# Allegro board EVK2_BM92T70-DEVICE-EVK-101_BRD_REV05_2016-03-18.brd (continued)
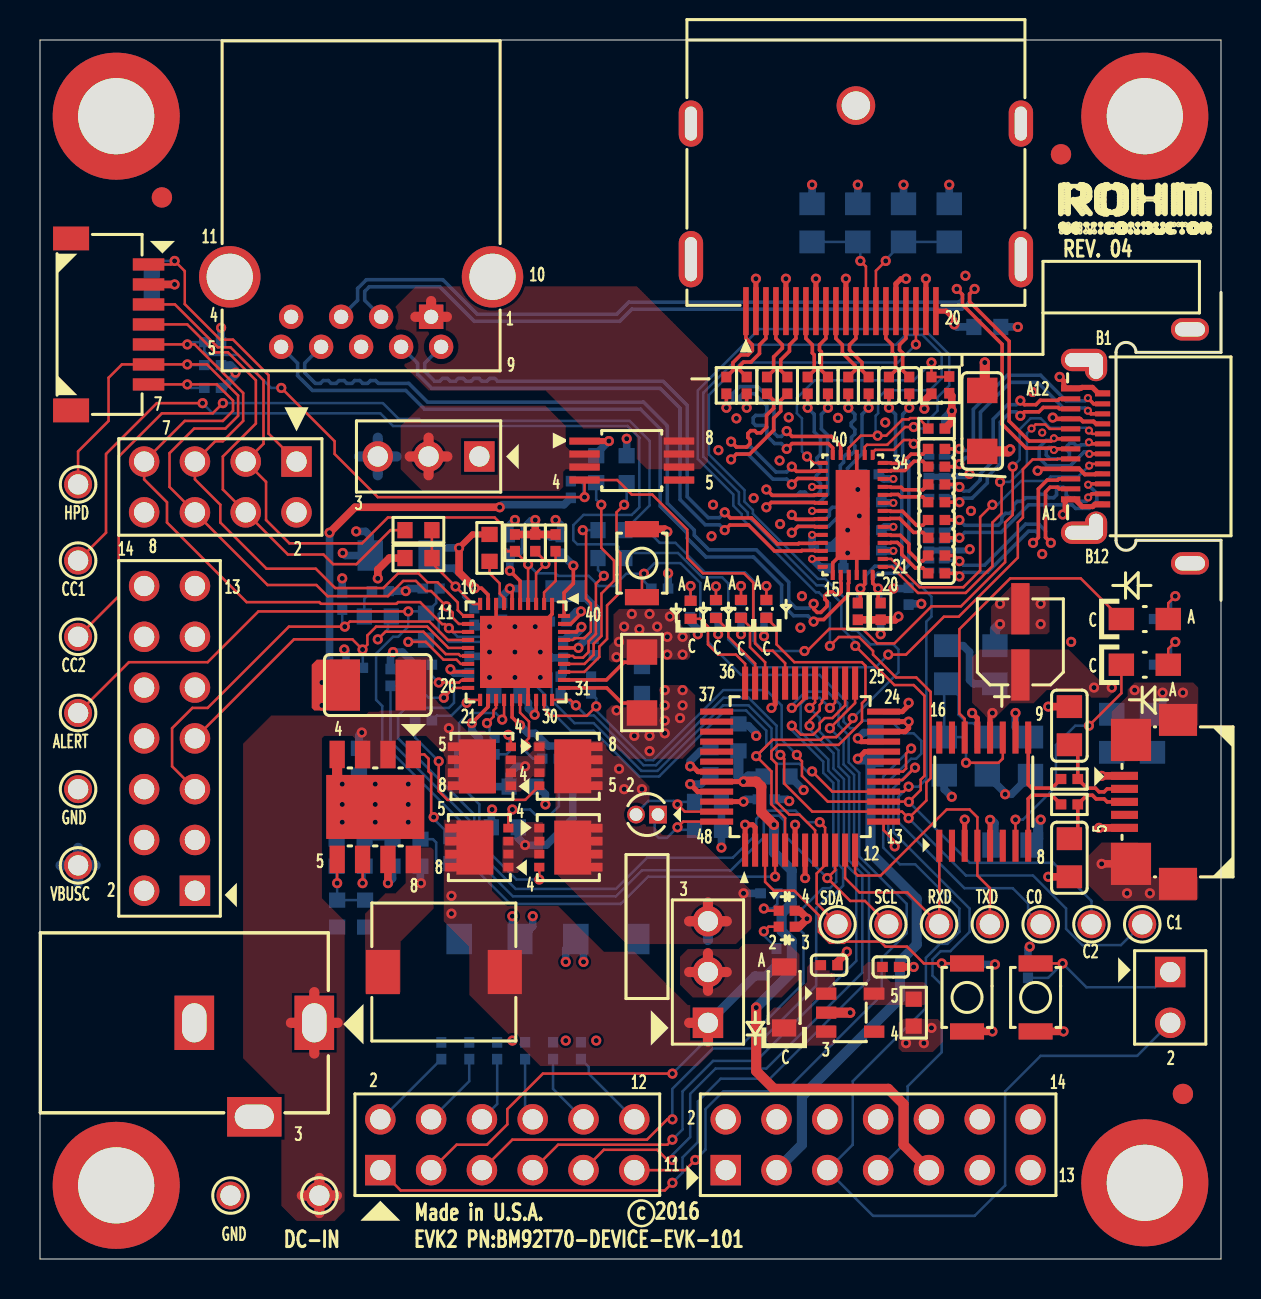
[diagram p0: board, top side]
## Nets
3V3: C42.2 C47.2 R46.2 R47.2 U5.3(VCCIO) U5.10(3V3OUT)
5V_VSVR: C9.2 C54.2 C58.1 D1.1(ANODE) J1.1 J12.3 L1.2 Q2.5(D1) Q2.6(D2) Q2.7(D3) Q2.8(D4) R12.2 R61.2 R156.1 U1.6(VSVR)
19V_ADAPTER: C7.2 C51.2 C52.2 J14.1 Q4.5(D1) Q4.6(D2) Q4.7(D3) Q4.8(D4) TP0.1 U1.28(VEX) U2.2(VIN) U2.3(EN)
GND: C1.1 C5.2 C6.1 C7.1 C8.1 C9.1 C11.1 C14.1 C15.1 C16.1 C17.1 C18.1 C19.1 C76.2 C77.2 C78.2 C79.2 C80.2 C81.2 C82.2 C83.2 C84.2 EEPROM-IF.2 J5.2 J5.4 J5.6 J5.8 J5.10 J5.12 J13.2 J14.2 J14.3 R11A.1 R13.1 R14.1 R15.1 R16.1 R17.1 R18.1 R19.1 R28.1 R30.1 R31.2 R36.2 R53.2 R65.2 R69.2 R103.1 R104.1 SW1.2 TP1.1 TP15.1 U1.1(GND0) U1.8(GND1) U1.27(GND2) U1.32(CSENSEP) U1.EPAD U3.1(GND) U23.A1(GND4) U23.A12(GND2) U23.B1(GND1) U23.B12(GND3) U24.15(GND1) U24.18(GND2) U24.37(GND3) U24.41(PGND) U25.3(GND1) U25.8(GND2) U26.3(GND1) U26.8(GND2) U27.2(GND0) U27.5(GND1) U27.8(GND2) U27.11(GND3) U27.16(GND4) U27.19(RETURN) U28.4(GND) U28.7(GND_DRAIN) U28.10(SHIELD1) U28.11(SHIELD2)
GND_SIGNAL: C2.1 C3.1 C30.1 C31.1 C32.1 C33.1 C34.2 C35.2 C36.1 C37.1 C38.1 C40.2 C41.1 C42.1 C43.1 C44.1 C45.1 C46.1 C47.1 C51.1 C52.1 C54.1 D14.3(K2) D14.4(K1) J3.2 J3.4 J3.6 J3.8 J3.10 J3.12 J11.5 J11.6 J11.7 J11.8 J11.9 R25.1 R31.1 R36.1 R45.1 R62.1 R63.1 SW2.2 SW3.2 U1.31(CSENSEN) U2.4(AGND) U2.7(PGND) U2.9(EPAD) U4.2(GND) U5.5(GND1) U5.13(GND2) U6.7(VSS_0) U6.21(VSS_1) U6.33(VSS_2) U6.45(VSS_3)
V3P3: C11.2 C30.2 C76.1 C77.1 C78.1 C79.1 C80.1 C81.1 C82.1 C83.1 J3.1 J5.1 J5.13 R6.2 R7.2 R8.2 R9.2 R10.2 R11B.2 R27.1 R29.1 R40.2 R41.2 R42.2 R43.2 R44.2 R50.1 R51.1 R52.1 R68.1 R70.2 R71.2 R72.2 R73.2 R74.2 R75.2 R76.1 U1.18(VDDIO) U6.1(CMPP) U6.2(CMPM) U6.6(P03/EXI3) U6.22(P10/OSC0) U6.23(P11/OSC1) U6.24(VDD_0) U6.43(VDD_1) U24.4(VDD1) U24.7(VDD2) U24.10(VDD3) U24.13(VDD4) U24.23(VDD5) U24.26(VDD6) U24.29(VDD7) U24.32(VDD8) U27.20(DP_PWR)
VCCIN: C15.2 R20.2 R21.2 R37.2 U1.5(VCCIN)
VDDL: C32.2 C33.2 J3.9 U6.44(VDDL)
VIN: D2.A(ANODE) J1.2
482_ALERT#: R9.1 R23.1 TP14.1 U6.4(P01/EXI1)
482_RXD: TP5.1 U5.1(TXD) U6.11(P42/RXD0)
482_SCL: R7.1 TP4.1 U1.20(SMCLK) U6.10(P41/SCL)
482_SDA: R6.1 TP3.1 U1.19(SMDATA) U6.9(P40/SDA)
482_TXD: TP6.1 U5.4(RXD) U6.12(P43/TXD0)
AUX+: C93.1 U27.15(AUX_CH_P)
AUX-: C94.1 U27.17(AUX_CH_N)
CC1: R102.2 TP11.1 U23.A5(CC1)
CC2: R101.2 TP12.1 U23.B5(CC2)
CONF0: EEPROM-IF.7 J13.7 R17.2 TP7.1 U1.13(GPIO7/UPSCLK/D2) U6.16(P47) U24.35(CONF0/A1)
CONF1: R14.2 R52.2 TP9.1 U1.30(GPIO3/FB) U6.14(P45) U24.36(CONF1/SCL)
CONF2: R13.2 R51.2 TP8.1 U1.29(GPIO2/VDIV) U6.15(P46) U24.38(CONF2/SDA)
CTRL0: J6.1 U6.25(PA0)
CTRL1: J6.3 U6.26(PA1)
CTRL2: J6.5 U6.27(PA2)
CTRL3: J6.7 U6.28(PA3)
CTRL4: J6.9 U6.29(PA4)
CTRL5: J6.11 U6.30(PA5)
D0+: R54.1 U27.1(ML_LANE0_P)
D0-: R55.1 U27.3(ML_LANE0_N)
D0N-: R55.2 U24.40(DP0-)
D0P+: R54.2 U24.39(DP0+)
D1+: R56.1 U27.4(ML_LANE1_P)
D1-: R57.1 U27.6(ML_LANE1_N)
D1N-: R57.2 U24.3(DP1-)
D1P+: R56.2 U24.2(DP1+)
D2+: R58.1 U27.7(ML_LANE2_P)
D2-: R59.1 U27.9(ML_LANE2_N)
D2N-: R59.2 U24.6(DP2-)
D2P+: R58.2 U24.5(DP2+)
D3+: R60.1 U27.10(ML_LANE3_P)
D3-: R67.1 U27.12(ML_LANE3_N)
D3N-: R67.2 U24.9(DP3-)
D3P+: R60.2 U24.8(DP3+)
D+: U23.A6(D2+) U23.B6(D1+) U28.3(D+)
D-: U23.A7(D1-) U23.B7(D2-) U28.2(D-)
DEBUG_VBUS_5V: C40.1 C41.2 FB1.1 R66.2 U5.12(VCC)
HPDIN: EEPROM-IF.6 J13.6 R16.2 TP13.1 U1.12(GPIO6/UPSDO/D1) U6.5(P02/EXI2) U27.18(HPD_OUT)
HSS_INPUT: J12.2 U3.2(IN0) U3.3(IN1)
RX1+: C91.2 U23.A2(TX1+) U26.4(D2+)
RX1-: C92.2 U23.A3(TX1-) U26.5(D2-)
RX2+: C85.2 U23.B2(TX2+) U25.1(D1+)
RX2-: C86.2 U23.B3(TX2-) U25.2(D1-)
RX+: U24.16(RX+) U28.6(STDA_SSRX+)
RX-: U24.17(RX-) U28.5(STDA_SSRX-)
TX1+: C89.2 U23.B11(RX1+) U26.1(D1+)
TX1-: C90.2 U23.B10(RX1-) U26.2(D1-)
TX2+: C87.2 U23.A11(RX2+) U25.4(D2+)
TX2-: C88.2 U23.A10(RX2-) U25.5(D2-)
TX+: U24.11(TX+) U28.9(STDA_SSTX+)
TX-: U24.12(TX-) U28.8(STDA_SSTX-)
TYPEC_VBUS: C1.2 C5.1 C84.1 J1.3 J12.1 Q1.5(D1) Q1.6(D2) Q1.7(D3) Q1.8(D4) Q3.5(D1) Q3.6(D2) Q3.7(D3) Q3.8(D4) R1.2 R155.1 TP10.1 U1.9(VB) U23.A4(VBUS4) U23.A9(VBUS2) U23.B4(VBUS1) U23.B9(VBUS3)
USB3_VBUS: U3.6(OUT0) U3.7(OUT1) U3.8(OUT2) U28.1(VBUS)
USB-PD_XRST: C14.2 EEPROM-IF.3 J13.3 R21.1 SW1.1 U1.4(XRST) U6.13(P44)
USB_HSS: EEPROM-IF.5 J13.5 R15.2 R45.2 U1.11(GPIO5/UPSDIN/D0) U3.4(/EN) U6.32(PA7)
VPP: C31.2 J3.3 U6.20(VPP)
N13969648: R102.1 U1.35(CC1)
N13969652: R101.1 U1.37(CC2)
N13969713: C19.2 D1.2(CATHODE) U1.36(VCONN_IN)
N13970852: R103.2 U1.34(XCLPOFF2)
N13970857: R104.2 U1.33(XCLPOFF1)
N13977100: C6.2 Q1.1(S1) Q1.2(S2) Q1.3(S3) Q2.1(S1) Q2.2(S2) Q2.3(S3) U1.25(S1_DRV_SRC)
N13977548: Q1.4(G) R2.2
N13977559: R1.1 U1.7(DSCHG)
N13980532: Q4.4(G) R5.2
N13980539: Q3.4(G) R4.2
N13980813: C8.2 Q3.1(S1) Q3.2(S2) Q3.3(S3) Q4.1(S1) Q4.2(S2) Q4.3(S3) U1.22(S2_DRV_SRC)
N13982881: C16.2 U1.40(LDO15ACAP)
N13982885: C17.2 U1.39(LDO28CAP)
N13982889: C18.2 U1.38(LDO15DCAP)
N13984358: J5.5 R10.1 U1.14(DBGRSTCK)
N13984367: R11A.2 R11B.1 R26.2 U1.10(GPIO4/UPSCS)
N13984468: R22.2 U1.16(GPIO0/VOUT_EN)
N13984472: R23.2 U1.17(GPIO1/ALERT#)
N13984476: R8.1 R22.1
N13987789: J5.7 R18.2 U1.15(DBGMODDT)
N13987798: R19.2 R20.1 U1.3(IDSEL/ATST1)
N13993860: R37.1 U1.2(VSTR/ATST2)
N14001698: U24.14(A0)
N14001956: C93.2 R27.2 R28.2 U24.19(AUX+)
N14001966: C94.2 R29.2 R30.2 U24.20(AUX-)
N14002328: R50.2 R53.1 U24.1(MODE)
N14002696: C85.1 U24.34(RX2+)
N14002704: C86.1 U24.33(RX2-)
N14002742: C87.1 U24.31(TX2+)
N14002762: C88.1 U24.30(TX2-)
N14002778: C91.1 U24.25(RX1+)
N14002782: C90.1 U24.27(TX1-)
N14002790: C89.1 U24.28(TX1+)
N14002806: C92.1 U24.24(RX1-)
N14003274: U23.A8(SBU1) U24.21(SBU2)
N14003282: U23.B8(SBU2) U24.22(SBU1)
N14006162: C34.1 U6.47(XT0) X1.2
N14006166: C35.1 U6.48(XT1) X1.1
N14006320: C37.2 SW2.1 U6.3(P00/EXI0)
N14006340: D13.2(ANODE) R41.1
N14006408: D12.2(ANODE) R42.1
N14006432: D11.2(ANODE) R43.1
N14006508: D10.2(ANODE) R44.1
N14006520: D13.1(CATHODE) U6.34(P20/LED0)
N14006532: D11.1(CATHODE) U6.36(P22/LED2)
N14006544: D10.1(CATHODE) U6.8(P24/LED4)
N14006584: C36.2 U6.46(VDDX)
N14006592: D12.1(CATHODE) U6.35(P21/LED1)
N14006890: J3.5 J4.2 U6.18(RESET_N)
N14006894: J3.7 U6.17(TEST)
N14013017: EEPROM-IF.4 J13.4 R26.1
N14014782: C38.2 J4.1 SW3.1
N14025699: LED3.A(ANODE) R46.1
N14025733: LED4.A(ANODE) R47.1
N14025825: C44.2 J11.2 R48.1
N14025849: C45.2 J11.3 R49.1
N14025897: C46.2 R25.2 R66.1 U5.11(RST)
N14025905: LED4.C(CATHODE) U5.7(CBUS2)
N14025913: LED3.C(CATHODE) U5.14(CBUS1)
N14025917: C43.2 FB1.2 J11.1
N14026089: R48.2 U5.9(USBDM)
N14026093: R49.2 U5.8(USBDP)
N14033878: EEPROM-IF.1 J13.1 R12.1
N14048931: J6.2 R70.1
N14049113: J6.4 R71.1
N14049117: J6.6 R72.1
N14049121: J6.8 R73.1
N14049125: J6.10 R74.1
N14049129: J6.12 R75.1
N14095594: Q2.4(G) R3.2
N14205448: R65.1 R68.2 U27.14(CONFIG2)
N14205650: R69.1 R76.2 U27.13(CONFIG1)
N14213989: R64.1 U2.1(BOOT)
N14214029: C57.2 R64.2
N14214033: C57.1 L1.1 U2.8(SW)
N14214153: C58.2 R61.1 R62.2 U2.5(FB)
N14214231: C56.2 U2.6(COMP)
N14225303: C3.2 D2.C(CATHODE) U4.1(VIN) U4.3(STBY)
N14225329: C2.2 R40.1 U4.5(VOUT)
N14225491: D14.1(A1) R155.2
N14225495: D14.2(A2) R156.2
N139693328: R2.1 U1.24(S1_DRV_G1)
N142140490: C56.1 R63.2
N1396933210: R3.1 U1.26(S1_DRV_G2)
N1396933211: R4.1 U1.21(S2_DRV_G1)
N1396933213: R5.1 U1.23(S2_DRV_G2)

Pads without a net: J3 11 13 14; J5 3 9 11 14; J11 4; J13 8; NOREF#31 1; NOREF#43 1; NOREF#84 1; NOREF#99 1; NOREF#100 1; NOREF#101 1; U3 5; U4 4; U5 2 6 15 16; U6 19 31 37 38 39 40 41 42; U25 6 7 9 10; U26 6 7 9 10

## Via types
v1: diameter 0.508, hole 0.254, TOP to BOTTOM, 331 vias
v2: diameter 0.406, hole 0.203, TOP to BOTTOM, 20 vias

## Routing (per net, layer and track width the routed paths; a pad name or vN(x,y) marks a point on that pad's centre or on a via; arc(x,y) is an arc through that point)
3V3: length 5.7
  TOP w0.254: v1(46.24,21.97) U5.3 ; U5.10 v1(48.78,27.3)
  BOTTOM w0.381: v1(48.78,27.3) 48.77,27.29 48.77,26.61 49.28,26.1 C47.2
  BOTTOM w0.508: v1(50.04,21.97) 49.91,21.84 49.91,21.02 C42.2
  vias: v1(51.56,30.86)
5V_VSVR: length 12.9
  TOP w0.178: U1.6 23.61,33.42 v1(23.5,33.53)
  TOP w0.508: 33.4,10.87 J1.1 32.46,11.81
  BOTTOM w0.381: D1.1 24.25,33.53 v1(23.5,33.53) 23.11,33.15 C9.2
  BOTTOM w0.457: J1.1 35.75,14.16 36.31,14.16 36.83,14.68 R156.1
  BOTTOM w0.508: 16.89,39.19 J12.3 ; J12.3 17.83,40.13 ; J12.3 15.95,40.13 ; J12.3 16.89,41.07
  vias: v1(20.57,18.16) v1(20.57,17.27)
19V_ADAPTER: length 11.8
  TOP w0.178: v1(24.74,27.22) 24.81,27.29 U1.28
  TOP w0.508: 13.09,3.17 TP0.1 ; TP0.1 13.97,4.05 ; TP0.1 13.97,2.3 ; TP0.1 14.85,3.17 ; J14.1 13.72,13.35 ; J14.1 12.55,11.81 ; J14.1 14.88,11.81 ; J14.1 13.72,10.27
  BOTTOM w0.381: v1(24.74,27.22) 24.42,27.53 24.42,27.81 C7.2 ; C51.2 15.95,26.19 v1(16.09,26.33)
  vias: v1(20.45,26.54)
GND: length 138.3
  TOP w0.178: v1(22.48,31.62) 22.81,31.95 U1.8 ; U24.15 39.64,34.81 40.13,35.31 v1(40.39,35.31) 40.71,35.31 40.84,35.18 U24.18 ; v1(40.89,38.48) 40.84,38.53 U24.37 ; v1(25.02,29.08) 24.66,29.08 24.41,28.83 U1.27 ; U1.1 25.61,32.25 24.98,31.62 v1(24.77,31.62) ; R36.2 29.59,29.84 29.21,29.84 28.32,28.96 U1.32
  TOP w0.254: U27.8 v1(38.8,49.02) ; U27.2 v1(35.8,49.02) ; U23.B1 52.92,43.29 52.62,43.59 52.1,43.59 52.05,43.54 U23.A12 51.32,43.54 51.2,43.67 51.2,43.9 v1(50.99,44.11) ; U27.5 v1(37.3,49.02) ; U27.16 42.8,48.77 43.05,49.02 v1(43.31,49.02) ; U27.19 v1(44.3,49.02) ; v1(51.14,37.23) 51.26,37.35 51.26,37.87 51.38,37.99 U23.A1 51.75,37.99 52.11,37.63 52.64,37.63 52.75,37.74 U23.B12 ; U27.11 v1(40.3,49.02)
  TOP w0.305: U3.1 v1(28.45,40.9)
  TOP w0.381: v1(31.37,36.37) 31.24,36.5 SW1.2 ; v1(44.22,42.52) 44.22,42.91 R53.2 ; R28.1 R30.1 42.76,31.97 v1(42.93,32.13) ; EEPROM-IF.2 v1(6.73,48.74)
  TOP w0.508: C84.2 47.24,43.56 v1(47.24,44.83)
  L2_GND w0.508: J5.12 6.15,31.11 ; J5.12 5.21,30.18 ; J5.12 4.27,31.11 ; J5.12 5.21,32.05 ; 1.91,22.62 TP15.1 ; TP15.1 1.03,23.5 ; TP15.1 2.78,23.5 ; TP15.1 1.91,24.37 ; 5.21,22.56 5.21,23.5 ; 5.21,23.5 5.21,24.43 ; 5.21,23.5 6.15,23.5 ; 5.21,23.5 4.27,23.5 ; J5.10 5.21,29.51 ; J5.10 6.15,28.57 ; J5.10 5.21,27.64 ; J5.10 4.27,28.57 ; 4.27,26.04 J5.8 ; J5.8 5.21,26.97 ; J5.8 5.21,25.1 ; J5.8 6.15,26.04 ; 4.27,18.41 J5.2 ; J5.2 6.15,18.41 ; J5.2 5.21,19.35 ; J5.2 5.21,17.48 ; 9.49,47.4 U28.11 ; U28.11 9.49,50.83 ; U28.11 11.2,49.12 ; U28.11 7.77,49.12 ; U28.4 13.35,47.12 ; U28.4 12.56,47.9 ; U28.4 11.77,47.12 ; J5.4 6.15,20.95 ; J5.4 5.21,20.02 ; J5.4 4.27,20.95 ; J5.4 5.21,21.89 ; 11.89,37.34 J13.2 ; J13.2 13.77,37.34 ; J13.2 12.83,38.28 ; J13.2 12.83,36.4 ; TP1.1 9.53,4.05 ; TP1.1 8.65,3.17 ; TP1.1 9.53,2.3 ; TP1.1 10.4,3.17 ; U28.7 16.85,45.62 ; U28.7 16.06,44.83 ; U28.7 16.06,46.4 ; U28.7 15.27,45.62 ; J14.2 8.88,11.81 ; J14.2 6.55,11.81 ; J14.2 7.72,10.27 ; J14.2 7.72,13.35 ; 10.72,5.94 J14.3 ; J14.3 10.72,8.28 ; J14.3 12.25,7.11 ; J14.3 9.18,7.11 ; 22.63,47.4 U28.10 ; U28.10 24.34,49.12 ; U28.10 20.91,49.12 ; U28.10 22.63,50.83
  BOTTOM w0.305: v1(46.48,39.26) 46.37,39.15 45.67,39.15 45.64,39.12 U25.3 U25.8 ; U26.8 U26.3 46.43,35.43 v1(46.49,35.49)
  BOTTOM w0.381: v1(15.14,35.31) 15.27,35.18 C5.2 16.51,36.16 16.28,36.39 v1(15.81,36.39) ; R19.1 25.4,36.23 25.53,36.11 C16.1 26.04,36.7 v1(25.78,36.96) ; v1(22.48,30.35) 22.26,30.14 C11.1 ; v1(22.48,31.62) 21.81,31.62 R11A.1 ; C78.2 v1(40.39,36.45) 39.55,35.61 C80.2 ; C8.1 24.89,23.62 25.27,23.24 v1(25.27,22.73) ; C9.1 23.46,31.62 v1(23.75,31.62) ; C81.2 41.24,37.43 v1(40.97,37.16) ; C14.1 v1(31.41,34.29) ; v1(42.67,33.53) 43.4,33.53 C82.2 ; R69.2 v1(38.61,53.72) ; R103.1 27.81,40.27 v1(28.45,40.9) ; v1(23.75,36.96) 23.5,36.7 C15.1 ; v1(22.61,22.48) 22.57,22.44 C6.1 ; R17.1 9.14,43.56 9.78,44.2 v1(9.78,44.32) 9.78,44.45 9.53,44.7 R16.1 ; R15.1 v1(9.06,46.57) ; R18.1 15.3,30.39 v1(15.21,30.48) ; C79.2 41.11,38.7 v1(40.89,38.48) ; v1(22.48,29.08) 22.69,28.87 C7.1 ; C17.1 25.02,31.88 v1(24.77,31.62) ; R65.2 v1(43.18,53.72) ; C76.2 v1(48.9,46.61) ; R104.1 v1(29.34,41.02) ; v1(27.18,14.86) 27.18,15.62 C1.1 26.29,15.49 v1(26.29,14.86) ; v1(25.02,30.35) 25.3,30.35 25.59,30.06 C18.1 26.16,29.25 R14.1 ; C77.2 40.17,34.55 40.17,35.09 v1(40.39,35.31) 41.11,35.31 C83.2
  vias: v1(23.75,30.35) v1(23.75,29.08) v1(28.83,30.1) v1(28.96,30.86) v1(29.21,31.62) v1(29.59,32.26) v1(29.97,31.5) v1(30.48,32.26) v1(30.86,31.62) v1(31.37,31.11) v1(31.37,30.23) v1(31.5,32.13) v1(32.13,31.11) v1(32.13,30.23) v1(33.58,36.14) v1(33.66,37.72) v1(33.92,40.45) v1(34.82,42.04) v1(35.69,38.05) v1(36.98,39.93) v1(37.01,36.75) v1(37.44,42.09) v1(38.02,31.57) v1(38.1,33.15) v1(39.9,42.06) v1(42.27,41.83) v1(46.28,49.17) v1(46.55,37.41) v1(49.63,43.36) v1(50.11,35.26) v2(50.11,41.33)
GND_SIGNAL: length 92.9
  TOP w0.178: R36.1 29.6,27.8 29.09,27.8 28.34,28.56 U1.31
  TOP w0.254: v1(32.51,23.75) 32.89,23.37 U6.45 ; v1(36.58,27.56) 36.76,27.74 U6.33 ; v1(46.61,27.3) 46.87,27.04 U5.13 ; U5.5 v1(47.51,21.96) ; U6.21 41.06,25.87 v1(40.89,26.04) ; U6.7 v1(38.26,19.05)
  TOP w0.381: U2.7 v1(17.4,18.8) ; C45.1 v1(50.42,19.11) ; SW3.2 v1(51.18,11.38) ; D14.4 37.97,17.42 38.35,17.04 v1(38.35,17.02) 38.35,17 37.97,16.62 D14.3 ; C3.1 39.88,14.86 40.35,15.33 v1(40.35,15.37) ; C2.1 v1(43.69,14.61) ; J11.5 v1(52.96,21.56) ; J11.8 v1(53.09,19.76) ; v1(14.48,36.32) 15.75,37.59 v1(22.99,37.59) ; C44.1 v1(50.42,27.62) ; SW2.2 v1(47.62,11.38)
  TOP w0.508: U4.2 v1(40.51,12.32) ; U2.4 14.86,24 v1(15.11,23.75)
  L2_GND w0.508: J3.6 39.37,7.92 ; J3.6 39.37,6.05 ; J3.6 38.43,6.99 ; J3.6 40.31,6.99 ; 46.05,6.99 J3.12 ; J3.12 46.99,7.92 ; J3.12 46.99,6.05 ; J3.12 47.93,6.99 ; J3.8 41.91,7.92 ; J3.8 40.97,6.99 ; J3.8 42.85,6.99 ; J3.8 41.91,6.05 ; 44.45,6.05 J3.10 ; J3.10 44.45,7.92 ; J3.10 45.39,6.99 ; J3.10 43.51,6.99 ; J3.4 36.83,7.92 ; J3.4 35.89,6.99 ; J3.4 36.83,6.05 ; J3.4 37.77,6.99 ; 34.29,6.05 J3.2 ; J3.2 34.29,7.92 ; J3.2 35.23,6.99 ; J3.2 33.35,6.99
  BOTTOM w0.381: C34.2 C35.2 v1(34.07,20.57) ; C43.1 56.13,27.75 v1(56.13,28.32) ; v1(47.75,14.73) C37.1 ; v1(32.51,23.75) 33.06,23.75 C30.1 ; C38.1 49.4,15.53 v1(49.49,15.62) ; v1(40.89,26.04) 41.19,26.33 C31.1 ; R45.1 26.2,37.72 23.11,37.72 v1(22.99,37.59) ; C51.1 16.4,23.75 v1(16.76,23.75) ; R25.1 48.26,23.3 v1(48.26,23.24) 48.58,23.24 C47.1 ; v1(45.59,23.11) 45.21,23.5 C46.1 ; v1(17.4,18.8) 17.63,19.02 R63.1 ; v1(14.48,36.32) 14.48,29.21 v1(14.1,28.83) ; C36.1 37.38,22.99 v1(37.47,22.9) ; C32.1 35.01,26.67 35.43,26.67 35.81,26.29 v1(35.81,26.16) ; v1(23.62,17.14) 23.62,16.38 C54.1 24.64,16.64 v1(24.64,17.14) ; R62.1 14.83,21.56 v1(15.11,21.84) ; C33.1 v1(38.18,23.45)
  BOTTOM w0.508: C42.1 47.69,21.78 v1(47.51,21.96) ; v1(48.01,31.75) 47.75,31.5 C41.1
  vias: v1(14.1,27.69) v1(15.11,22.73) v1(16.76,22.73) v1(16.76,21.84) v1(18.41,23.75) v1(18.41,22.73) v1(18.41,21.84) v1(28.83,27.43) v1(29.72,26.16) v1(30.48,26.16) v1(30.48,25.4) v1(31.24,28.45) v1(31.24,27.69) v1(31.24,26.92) v1(31.24,26.29) v1(32,27.05) v1(32.13,28.45) v1(32.13,27.69) v1(48.01,32.77) v1(50.04,32.77) v1(50.04,31.75) v1(54.36,18.29) v1(54.74,28.45) v1(55.5,18.29) v1(57.15,28.32)
V3P3: length 53.7
  TOP w0.178: U24.13 v2(38.61,35.01) ; U24.10 v2(38.61,36.21) ; U24.26 v2(42.67,36.61) ; U24.23 v2(42.67,35.41) ; U1.18 20.65,29.36 v1(20.52,29.49) ; U24.4 v2(38.61,38.61) ; U24.32 v2(42.67,39.01) ; U24.7 v2(38.61,37.41) ; U24.29 v2(42.67,37.81)
  TOP w0.254: U27.20 45.31,47.4 45.72,46.99 v1(45.72,46.74) ; U6.2 35.76,21.59 35.63,21.72 v1(35.26,21.72) U6.1 ; U6.22 43.26,26.37 43.43,26.54 v1(43.43,26.87) U6.23 ; v1(43.43,27.81) 43.43,27.69 43.12,27.37 U6.24 ; v1(32.51,24.64) 32.64,24.64 32.9,24.37 U6.43 ; U6.6 v1(37.76,21.72)
  TOP w0.381: v1(16.89,34.04) 16.89,34.47 17.48,35.05 R11B.2 ; R51.1 45.59,41.87 v1(45.59,42.42) 45.59,43.17 R50.1
  L3_PWR w0.508: 7.75,17.48 J5.1 ; J5.1 8.69,18.41 ; J5.1 6.81,18.41 ; J5.1 7.75,19.35 ; J3.1 34.29,5.38 ; J3.1 33.35,4.45 ; J3.1 34.29,3.51 ; J3.1 35.23,4.45 ; 7.75,32.72 J5.13 ; J5.13 8.69,33.66 ; J5.13 7.75,34.59 ; J5.13 6.81,33.66
  BOTTOM w0.381: v2(42.67,37.81) 42.11,37.81 C81.1 ; C83.1 42.1,35.41 v2(42.67,35.41) ; v1(45.72,46.74) 45.85,46.61 C76.1 ; C30.2 33.36,25.4 33.02,25.4 32.51,24.89 v1(32.51,24.64) ; R43.2 32.51,31.88 32.89,31.5 v1(32.89,31.24) ; R27.1 R29.1 v1(42.04,31.24) ; R6.2 18.12,30.35 v1(17.65,30.35) 17.53,30.23 R7.2 ; C80.1 38.61,35.7 v2(38.61,36.21) ; R51.1 45.25,42.08 v1(45.59,42.42) ; v2(38.61,35.01) 39.08,34.54 C77.1 ; R68.1 v1(45.47,53.72) ; R9.2 18.41,33.53 v1(18.29,33.4) R8.2 ; v1(44.07,32.77) 43.47,32.77 C82.1 ; C11.2 20.71,29.3 v1(20.52,29.49) ; R10.2 v1(15.11,34.04) ; R76.1 v1(40.89,53.72) ; C79.1 42.18,39.01 v2(42.67,39.01) ; C78.1 42.24,36.61 v2(42.67,36.61) ; R44.2 36.21,31.98 v1(36.21,31.15) ; R42.2 33.91,31.97 v1(33.91,31.24) ; R41.2 v1(35.05,31.24)
  vias: v1(23.62,10.92) v1(26.29,10.92) v1(27.81,10.92) v1(43.31,10.79) v1(44.2,10.79) v1(44.58,11.56)
VCCIN: length 8.1
  TOP w0.178: v1(23.5,34.42) 24.01,33.91 U1.5
  TOP w0.381: R20.2 v1(24.77,36.96) ; R20.2 R37.2 ; R20.2 R21.2
  BOTTOM w0.305: C15.2 23.94,35.27 24.19,35.52 24.19,36.61 24.54,36.96 v1(24.77,36.96)
  BOTTOM w0.381: C15.2 v1(23.5,34.42)
VDDL: length 33
  TOP w0.254: U6.44 v1(35.18,23.87)
  TOP w0.508: v1(35.81,12.57) 35.81,9.4 36.7,8.51 42.42,8.51 43.18,7.75 43.18,5.71 J3.9 ; v1(35.18,23.87) 35.82,23.87 36.07,23.62 36.07,22.35 v1(36.7,21.72)
  BOTTOM w0.508: C33.2 35.43,24.13 v1(35.18,23.87) 34.92,24.12 C32.2 ; v1(35.81,12.57) 37.59,14.35 37.59,15.9 37.08,16.41 37.08,17.27 37.59,17.78 37.59,19.43 36.7,20.32 v1(36.7,21.72)
VIN: length 3.8
  TOP w0.508: 32.46,14.35 J1.2 ; J1.2 34.34,14.35 ; J1.2 33.4,15.29 ; J1.2 33.4,13.41
482_ALERT#: length 54.4
  TOP w0.127: v1(18.41,32.38) 10.92,32.38 8.38,29.84 4.45,29.84 TP14.1 ; U6.4 v1(36.76,19.12)
  BOTTOM w0.127: R9.1 19.81,33.36 19.81,32.8 R23.1 19.22,32.38 v1(18.41,32.38) 18.41,31.62 17.91,31.12 17.65,31.12 16.81,30.27 16.81,27.96 17.11,27.66 17.11,25.81 21.21,21.72 21.21,20.07 23.52,17.75 29.04,17.75 30.4,19.12 v1(36.76,19.12)
482_RXD: length 11
  TOP w0.127: U6.11 40.26,19.05 40.98,18.33 43.37,18.33 TP5.1 44.97,16.75 U5.1
482_SCL: length 42.6
  TOP w0.127: v1(20.19,28.07) 20.68,28.56 U1.20 ; TP4.1 41.25,17.91 40.51,17.91 v1(39.37,19.05) 39.76,19.44 U6.10
  BOTTOM w0.127: v1(39.37,19.05) 37.21,21.21 37.21,21.92 36.96,22.17 36.42,22.17 36.2,21.95 36.2,21.08 34.54,19.43 30.1,19.43 28.8,18.14 23.65,18.14 21.46,20.32 21.46,21.95 17.53,25.89 R7.1 18.83,28.66 19.43,28.07 v1(20.19,28.07)
482_SDA: length 41.7
  TOP w0.127: U1.19 21.08,28.96 20.95,28.83 v1(19.94,28.83) ; TP3.1 38.84,17.78 38.84,19.28 39.26,19.7 U6.9 39.26,21.57 v1(38.99,21.84)
  BOTTOM w0.127: v1(38.99,21.84) 38.35,21.84 37.77,22.42 36.24,22.42 35.81,22 35.81,21.24 34.64,20.07 30.35,20.07 28.79,18.51 23.78,18.51 21.72,20.57 21.72,22.23 17.91,26.04 17.91,27.18 18.29,27.56 20.45,27.56 20.7,27.81 20.7,28.57 20.45,28.83 v1(19.94,28.83) 19.6,29.17 R6.1
482_TXD: length 14.4
  TOP w0.127: U6.12 40.76,19.31 40.89,19.18 42.04,19.18 45.34,22.48 46.48,22.48 46.87,22.09 U5.4 46.87,19.18 47.5,18.55 TP6.1
AUX+: length 3.6
  TOP w0.178: U27.15 42.3,46.04 42.62,45.71 42.62,45.32 42.78,45.16 42.78,44.44 C93.1
AUX-: length 3.6
  TOP w0.178: C94.1 43.14,44.44 43.14,45.31 42.98,45.47 42.98,45.71 43.3,46.04 U27.17
CC1: length 78.5
  TOP w0.127: TP11.1 3.3,36.32 3.3,40.26 5.84,42.8 v1(8.13,42.8) ; v1(42.42,30.23) 43.31,30.23 45.2,32.12 45.94,32.12 48.9,35.08 48.9,36.83 49.15,37.08 49.15,39.5 49.63,39.98 50.86,39.98 50.89,40.01 U23.A5
  BOTTOM w0.127: v1(8.13,42.8) 8.64,42.29 17.02,42.29 17.65,41.66 29.38,41.66 29.97,41.07 29.97,37.59 29.59,37.21 27.18,37.21 26.67,36.7 26.67,35.94 26.87,35.74 28.8,35.74 28.93,35.61 28.93,35.37 R102.2 29.5,35.31 31.9,35.31 33.12,34.09 34.11,34.09 34.42,33.78 34.42,30.99 35.81,29.59 41.78,29.59 v1(42.42,30.23)
CC2: length 80.6
  TOP w0.127: v1(48.64,39.62) 48.64,37.21 48.26,36.83 48.26,34.85 46.05,32.64 44.58,32.64 42.72,30.78 41.86,30.78 41.14,31.51 39.47,31.51 38.36,30.4 v1(38.23,30.4) ; TP12.1 3.94,33.15 3.94,40.13 6.1,42.29 8.64,42.29 v1(9.14,42.8) ; U23.B5 52.61,41.26 v2(52.45,41.43)
  BOTTOM w0.127: v1(48.64,39.62) 48.98,39.97 48.98,41.49 49.53,42.04 50.04,42.04 50.51,41.57 52.31,41.57 v2(52.45,41.43) ; v1(38.23,30.4) 36.2,30.4 35.69,30.91 35.69,33.91 35.26,34.34 33.25,34.34 31.78,35.81 30.99,35.81 30.35,36.45 R101.2 30.48,37.68 30.48,40.92 29.49,41.91 19.06,41.91 18.96,42.01 17.93,42.01 17.14,42.8 v1(9.14,42.8)
CONF0: length 95.9
  TOP w0.127: v1(43.43,23.62) 43.18,23.37 U6.16 39.62,23.37 v1(38.61,24.38) ; EEPROM-IF.7 v1(7.37,43.74) 8.84,43.74 9.65,42.93 9.65,42.42 9.14,41.91 7.24,41.91 J13.7 5.21,38.99 6.35,37.85 6.35,36.83 10.33,32.85 13.96,32.85 14.05,32.77 17.82,32.77 17.91,32.85 19.01,32.85 20.11,31.75 20.25,31.75 v1(20.45,31.55) 20.64,31.36 U1.13 ; U24.35 41.64,40.34 41.77,40.46 42.7,40.46 43.19,40.95 43.5,40.95 v1(43.69,40.77)
  BOTTOM w0.127: v1(7.37,43.74) 7.54,43.56 R17.2 ; TP7.1 49.41,17.37 49.41,17.77 48.64,18.54 46.23,18.54 42.93,21.84 42.93,23.11 v1(43.43,23.62) 43.94,23.62 44.32,24 44.32,31.88 44.58,32.13 44.58,33.12 43.98,33.72 43.98,40.47 v1(43.69,40.77) ; v1(38.61,24.38) 38.35,24.38 37.97,24.77 36.83,24.77 36.58,25.02 36.58,26.54 35.43,27.69 34.15,27.69 30.88,24.41 30.07,24.41 27.69,26.8 26.73,26.8 25.59,27.94 25.59,29.27 25.15,29.72 24.64,29.72 24.26,30.1 24.26,30.73 23.88,31.11 20.88,31.11 v1(20.45,31.55)
CONF1: length 92.3
  TOP w0.127: v1(37.02,25.21) 37.21,25.02 37.21,23.78 38.62,22.37 U6.14 43.11,22.37 v1(43.43,22.04) 44.32,22.93 44.32,23.83 44.53,24.04 44.53,28.36 43.81,29.08 42.8,29.08 41.66,30.23 41.66,30.4 40.96,31.1 39.94,31.1 v1(39.5,30.66) ; v1(43.69,41.61) 43.26,41.61 42.37,40.72 41.35,40.72 41.24,40.6 U24.36 ; v1(26.8,27.69) 26.52,27.96 U1.30
  BOTTOM w0.127: TP9.1 54.49,16.11 54.46,16.11 54.05,15.7 52.12,15.7 51.31,16.51 51.31,17.53 49.66,19.18 46.3,19.18 v1(43.43,22.04) ; v1(39.5,30.66) 39.5,32.79 38.95,33.34 38.8,33.34 35.09,37.05 35.09,37.25 34.67,37.67 34.67,38.23 32.89,40.01 32.89,43.43 35.96,46.5 44.2,46.5 45.47,45.24 45.47,43.68 44.88,43.1 44.88,42.42 44.41,41.95 R52.2 43.76,41.53 v1(43.69,41.61) ; v1(37.02,25.21) 36.83,25.4 36.83,26.67 35.43,28.07 34.18,28.07 30.8,24.69 30.19,24.69 27.7,27.18 27.3,27.18 v1(26.8,27.69) 26.63,27.69 R14.2
CONF2: length 90.2
  TOP w0.127: R51.2 44.41,41.57 43.93,42.05 43.51,42.05 43.44,41.99 43.13,41.99 42.32,41.17 v1(41.88,41.17) 41.05,41.17 40.44,40.57 U24.38 ; v1(37.85,25.21) 37.85,25.15 38.1,24.89 38.1,24.16 39.39,22.87 U6.15 43.43,22.87 v1(43.45,22.86) 44.04,23.45 44.04,23.97 44.23,24.16 44.23,28.16 43.69,28.7 42.72,28.7 v1(40.77,30.66) ; v1(27.81,27.64) 27.34,27.17 25.54,27.17 25.21,27.5 U1.29
  BOTTOM w0.127: v1(41.88,41.17) 41.78,41.27 41.78,42.16 41.91,42.29 41.91,43.05 42.3,43.44 44.5,43.44 45.09,44.03 45.09,45.25 44.12,46.21 43.29,46.21 42.8,45.72 35.57,45.72 33.17,43.32 33.17,40.12 34.95,38.34 34.95,37.77 35.39,37.33 35.39,37.13 35.58,36.95 38.84,33.69 39.19,33.69 40.07,32.8 40.07,31.56 40.77,30.86 v1(40.77,30.66) ; v1(43.45,22.86) 46.49,19.81 50.67,19.81 52.58,17.91 TP8.1 ; v1(37.85,25.21) 37.08,25.97 37.08,27.69 36.32,28.45 34.17,28.45 30.67,24.95 30.29,24.95 27.81,27.43 v1(27.81,27.64) 27.81,28.03 R13.2
CTRL0: length 47
  TOP w0.127: J6.1 18.03,3.43 31.24,3.43 v1(31.62,3.81) ; v1(39.5,26.54) 40.76,27.8 U6.25
  BOTTOM w0.127: v1(39.5,26.54) 40.18,25.86 40.18,24.73 40.71,24.21 40.71,20.03 41.45,19.29 41.45,13.97 36.5,9.02 34.04,9.02 32.89,7.87 32.89,5.84 32.13,5.08 32.13,4.32 v1(31.62,3.81)
CTRL1: length 42.7
  TOP w0.127: v1(37.59,26.67) 38.04,26.22 38.66,26.22 38.99,26.54 38.99,26.8 39.24,27.05 39.62,27.05 40.26,27.69 U6.26 ; J6.3 20.83,5.71 22.35,5.71 23.37,6.73 23.37,7.49 25.15,9.27 v1(31.62,9.27)
  BOTTOM w0.127: v1(37.59,26.67) 37.59,26.44 39.17,24.87 39.17,24.31 39.67,23.8 39.67,19.61 39.82,19.47 39.82,18.86 39.5,18.54 39.14,18.54 37.8,17.2 37.8,16.66 38.18,16.28 38.18,13.79 35.18,10.79 33.15,10.79 v1(31.62,9.27)
CTRL2: length 40.2
  TOP w0.127: v1(39.5,27.56) 39.76,27.82 U6.27 ; v1(31.62,6.99) 31.37,6.99 30.35,5.97 23.62,5.97 J6.5
  BOTTOM w0.127: v1(31.62,6.99) 31.62,8.51 33.64,10.53 35.67,10.53 38.81,13.67 38.81,17.55 39.5,18.24 39.73,18.24 40.16,18.67 40.16,19.5 39.93,19.73 39.93,23.91 39.42,24.42 39.42,24.97 38.04,26.36 38.04,27.75 38.35,28.07 38.99,28.07 v1(39.5,27.56)
CTRL3: length 36.8
  TOP w0.127: v1(38.48,26.67) 38.48,26.92 38.99,27.43 38.99,27.71 39.1,27.82 39.1,27.93 39.26,28.08 U6.28 ; J6.7 25.91,5.71 31.37,5.71 v1(31.62,5.97)
  BOTTOM w0.127: v1(38.48,26.67) 38.48,26.49 39.67,25.3 39.67,24.52 40.2,24 40.2,19.82 40.82,19.2 40.82,14.91 35.81,9.91 33.66,9.91 32.13,8.38 32.13,6.48 v1(31.62,5.97)
CTRL4: length 35.6
  TOP w0.127: v1(31.62,4.95) 31.37,4.95 30.86,5.46 28.19,5.46 J6.9 ; v1(38.48,27.56) 38.76,27.84 U6.29
  BOTTOM w0.127: v1(38.48,27.56) 38.99,27.05 38.99,26.37 39.93,25.43 39.93,24.63 40.46,24.1 40.46,19.92 41.12,19.26 41.12,14.33 36.32,9.53 33.78,9.53 32.51,8.26 32.51,6.1 31.62,5.21 v1(31.62,4.95)
CTRL5: length 38.4
  TOP w0.127: v1(37.59,27.56) 37.77,27.56 38.26,28.05 U6.30 ; v1(32.77,4.95) 32.26,4.45 J6.11
  BOTTOM w0.127: v1(32.77,4.95) 33.27,5.46 33.27,7.49 34.16,8.38 37.26,8.38 42.09,13.21 42.09,15.04 43.33,16.29 43.33,17.76 40.96,20.14 40.96,24.31 40.44,24.84 40.44,26.19 39.93,26.7 39.93,27.41 40.02,27.5 40.02,27.72 39.37,28.37 38.28,28.37 37.59,27.69 v1(37.59,27.56)
D0+: length 4.2
  TOP w0.178: R54.1 34.65,44.44 34.65,44.83 35.04,45.21 35.41,45.21 35.62,45.43 35.62,45.71 35.3,46.04 U27.1
D0-: length 4.2
  TOP w0.178: R55.1 35.01,44.44 35.01,44.68 35.19,44.86 35.55,44.86 35.98,45.28 35.98,45.71 36.3,46.04 U27.3
D0N-: length 9.8
  TOP w0.178: v1(37.34,40.51) 37.6,40.78 39.42,40.78 39.64,40.56 U24.40 ; v1(35.34,42.57) R55.2
  BOTTOM w0.178: v1(37.34,40.51) 37.07,40.78 36.73,40.78 36.35,41.17 36.35,41.61 36.27,41.68 35.79,41.68 35.66,41.81 35.66,42.06 35.79,42.19 36.22,42.19 36.35,42.32 36.35,42.65 35.73,43.27 35.14,43.27 35.01,43.14 35.01,42.9 v1(35.34,42.57)
D0P+: length 9.9
  TOP w0.178: U24.39 40.04,40.67 39.57,41.14 37.6,41.14 v1(37.34,41.4) ; v1(34.32,42.57) R54.2
  BOTTOM w0.178: v1(37.34,41.4) 37.07,41.14 36.88,41.14 36.7,41.31 36.7,42.8 35.88,43.63 34.99,43.63 34.65,43.29 34.65,42.9 v1(34.32,42.57)
D1+: length 3.7
  TOP w0.178: U27.4 36.8,46.04 37.12,45.71 37.12,45.55 36.68,45.11 36.68,44.44 R56.1
D1-: length 3.7
  TOP w0.178: R57.1 37.04,44.44 37.04,44.97 37.48,45.4 37.48,45.71 37.8,46.04 U27.6
D1N-: length 10.3
  TOP w0.178: U24.3 38.76,39.01 38.73,39.03 37.89,39.03 v1(37.59,38.73) ; R57.2 37.04,42.94 37.04,42.4 36.69,42.04 36.69,41.45 35.49,40.25 34.82,40.25 v1(34.56,39.98)
  BOTTOM w0.178: v1(34.56,39.98) 34.82,40.25 35.4,40.25 36.65,39 37.34,39 37.59,38.75 v1(37.59,38.73)
D1P+: length 10.2
  TOP w0.178: v1(37.59,39.62) 37.83,39.39 38.71,39.39 38.73,39.41 U24.2 ; R56.2 36.68,42.94 36.68,42.55 36.33,42.19 36.33,41.6 36.05,41.32 35.85,41.32 35.74,41.43 35.54,41.43 35.4,41.28 35.4,41.08 35.51,40.97 35.51,40.77 35.34,40.61 34.82,40.61 v1(34.56,40.87)
  BOTTOM w0.178: v1(34.56,40.87) 34.82,40.61 35.54,40.61 36.79,39.36 37.34,39.36 37.59,39.61 v1(37.59,39.62)
D2+: length 3.6
  TOP w0.178: U27.7 38.3,46.04 38.62,45.71 38.62,45.31 38.72,45.21 38.72,44.44 R58.1
D2-: length 3.6
  TOP w0.178: U27.9 39.3,46.04 38.98,45.71 38.98,45.46 39.07,45.36 39.07,44.44 R59.1
D2N-: length 11.5
  TOP w0.178: U24.6 38.76,37.81 38.73,37.83 36.56,37.83 v1(36.32,37.59) ; v1(39.4,42.57) R59.2
  BOTTOM w0.178: v1(39.4,42.57) 39.07,42.24 39.07,41.51 39.38,41.2 39.38,38.24 38.97,37.83 36.56,37.83 v1(36.32,37.59)
D2P+: length 11.4
  TOP w0.178: U24.5 38.73,38.21 38.71,38.19 36.61,38.19 v1(36.32,38.48) ; v1(38.39,42.57) R58.2
  BOTTOM w0.178: v1(36.32,38.48) 36.61,38.19 37.84,38.19 38,38.35 38.25,38.35 38.42,38.19 38.82,38.19 39.03,38.39 39.03,38.79 38.83,38.99 38.83,39.19 39.03,39.39 39.03,39.64 38.86,39.81 38.86,40.07 39.03,40.24 39.03,41.05 38.72,41.36 38.72,42.24 v1(38.39,42.57)
D3+: length 3.8
  TOP w0.178: U27.10 39.8,46.04 40.12,45.71 40.12,45.31 40.75,44.68 40.75,44.44 R60.1
D3-: length 3.8
  TOP w0.178: R67.1 41.1,44.44 41.1,44.83 40.48,45.46 40.48,45.71 40.8,46.04 U27.12
D3N-: length 11.1
  TOP w0.178: v1(37.59,36.32) 37.9,36.63 38.73,36.63 38.76,36.61 U24.9 ; v1(41.43,42.57) R67.2
  BOTTOM w0.178: v1(41.43,42.57) 41.1,42.24 41.1,40.26 40.38,39.53 40.38,37.58 39.43,36.63 37.9,36.63 v1(37.59,36.32)
D3P+: length 11
  TOP w0.178: v1(40.42,42.57) R60.2 ; v1(37.59,37.21) 37.81,36.99 38.71,36.99 38.73,37.01 39.14,37.01
  BOTTOM w0.178: v1(37.59,37.21) 37.81,36.99 39.28,36.99 39.47,37.18 39.47,37.44 39.62,37.59 39.84,37.59 40.02,37.77 40.02,39.68 40.18,39.84 40.18,40.11 40.31,40.23 40.57,40.23 40.75,40.41 40.75,40.66 40.58,40.83 40.58,41.09 40.75,41.26 40.75,41.48 40.56,41.66 40.56,41.81 40.75,41.99 40.75,42.24 v1(40.42,42.57)
D+: length 50.1
  TOP w0.178: v1(45.84,48.51) 46.13,48.23 46.13,47.73 48.11,45.75 48.11,41.75 49.31,40.55 50.61,40.55 v2(50.7,40.46) 50.75,40.51 U23.A6 ; U23.B6 52.53,40.76 v2(52.45,40.84)
  BOTTOM w0.178: v2(50.7,40.46) 50.57,40.58 50.46,40.58 50.32,40.44 50.32,40.2 50.5,40.02 51.36,40.02 51.48,40.13 51.48,40.33 51.36,40.45 51.36,40.65 51.5,40.79 51.7,40.79 51.82,40.67 52.02,40.67 52.06,40.72 52.32,40.72 v2(52.45,40.84) ; v1(45.84,48.51) 46.13,48.23 46.13,48.03 45.95,47.85 29.44,47.85 28.84,47.25 21.87,47.25 20.14,48.97 16.32,48.97 15.88,48.53 15.88,47.94 U28.3
